# Allegro board FEE5_10_30.brd (continued)
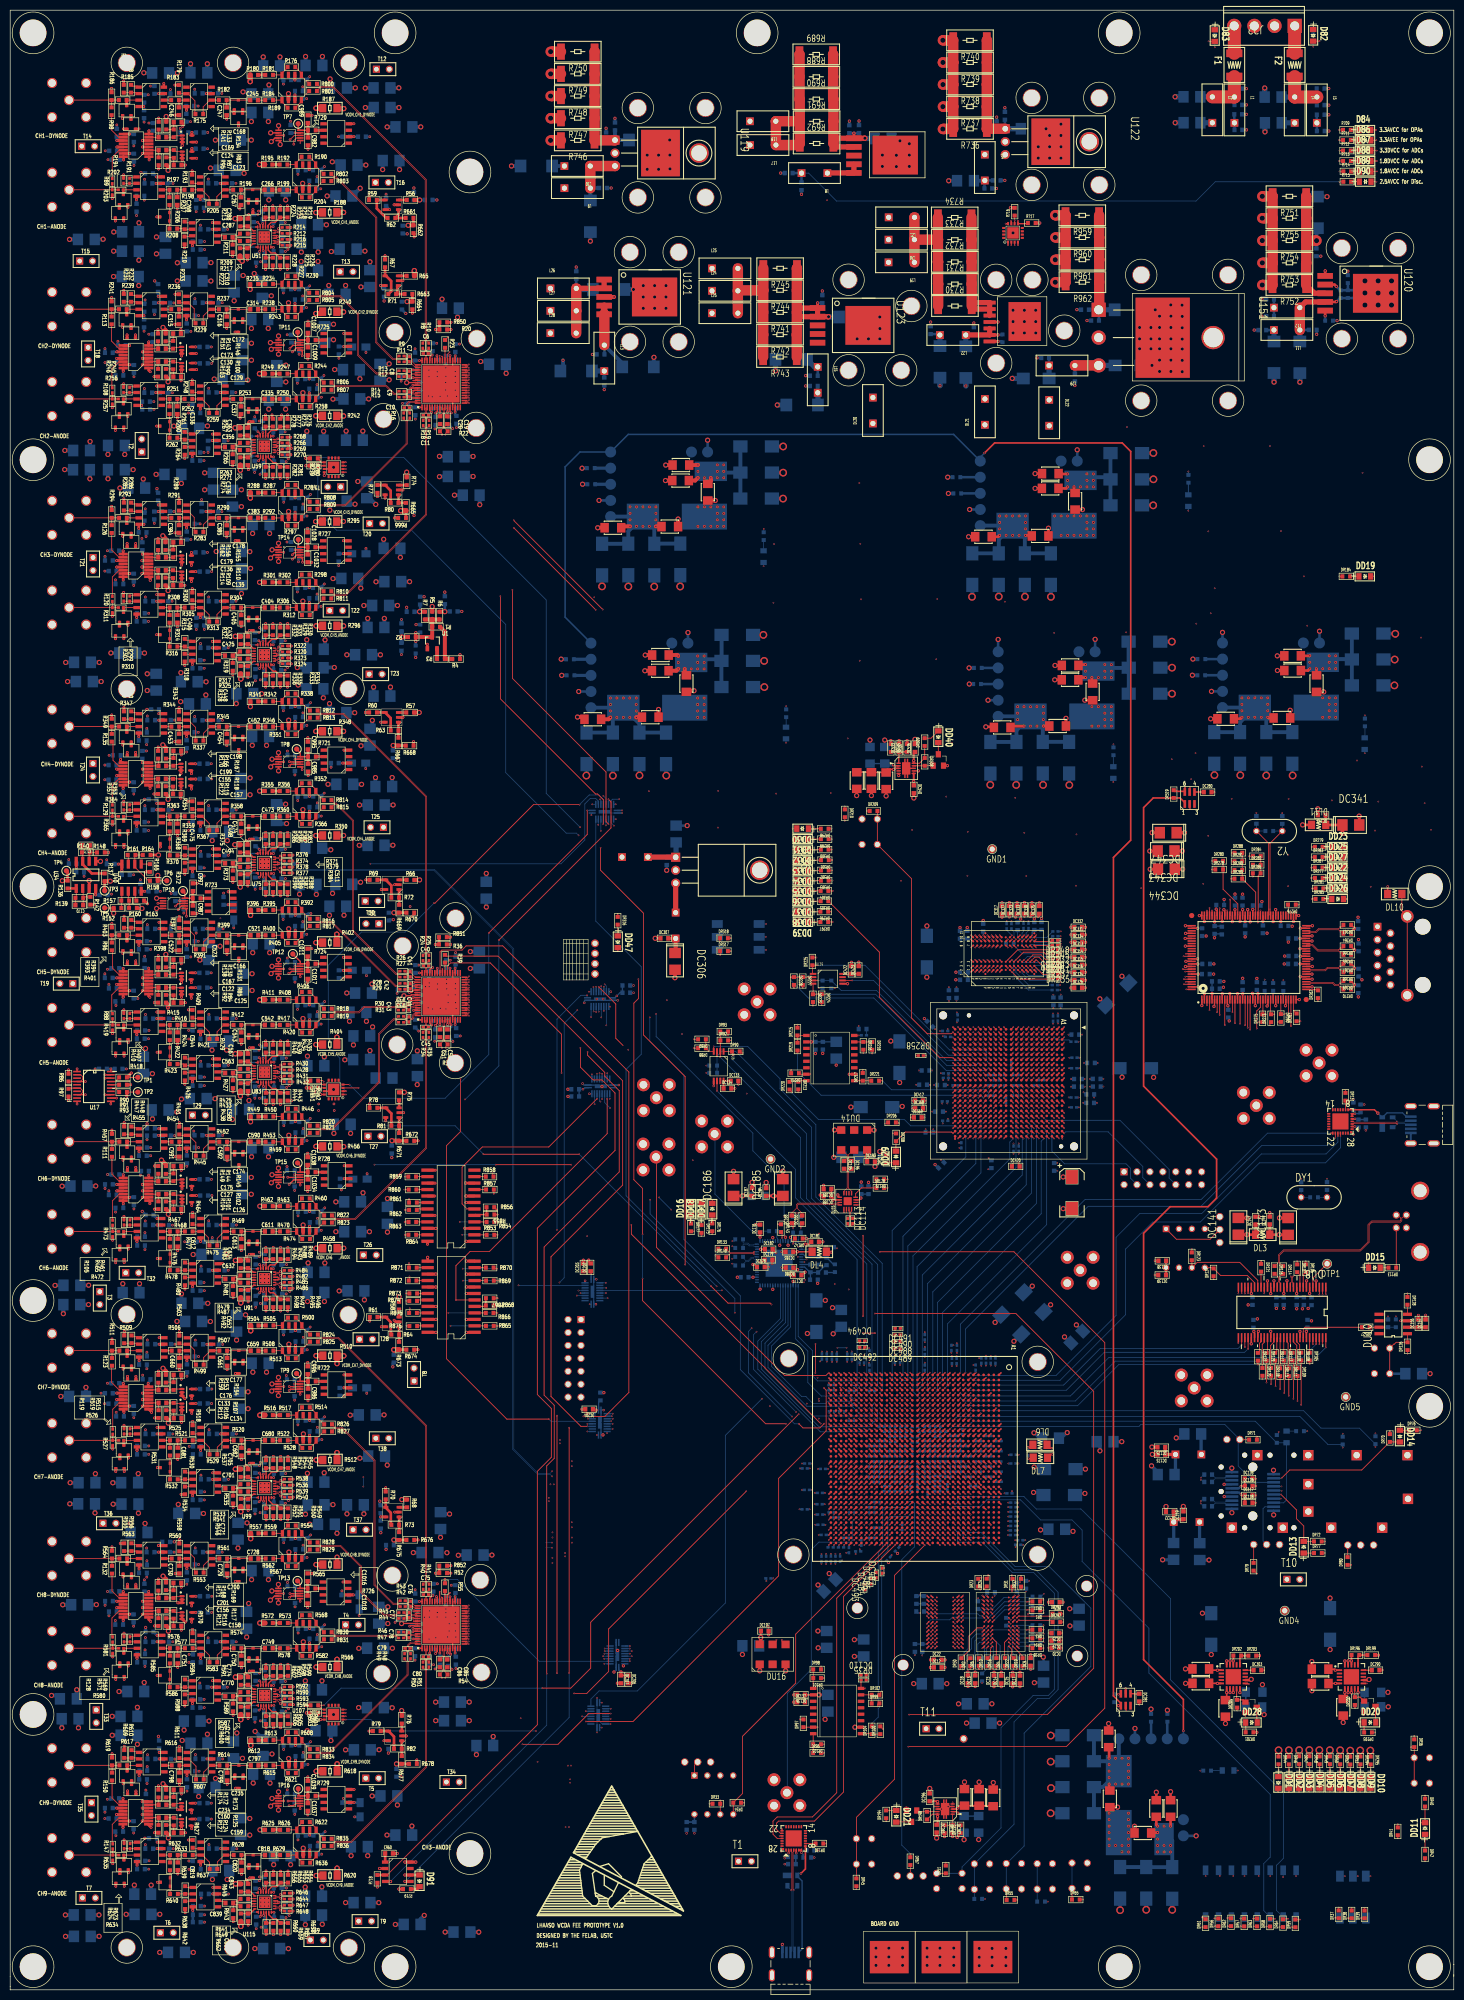
[diagram p0: board, top side]
## Routing (per net, layer and track width the routed paths; a pad name or vN(x,y) marks a point on that pad's centre or on a via; arc(x,y) is an arc through that point) (continued)
A7_DDR3_CS_N1: length 68.8
  TOP w0.152: DU2.H1 v1(190.98,71.07) 189.94,71.07 188.36,69.49 188.36,66.62 DR30.2 ; DU1.H1 v1(180.06,71.07) ; DU4.U29 v1(178.65,92.32)
  S2 w0.152: v1(180.06,71.07) 180.06,71.08 180.45,71.47 182.74,71.47 183.53,70.68 188.92,70.68 189.31,71.07 v1(190.98,71.07)
  S4 w0.152: v1(180.06,71.07) 178.98,69.99 175.05,69.99 172.56,72.48 172.56,76.68 172.41,76.83 170.54,76.83 170.39,76.99 170.39,77.29 170.54,77.44 172.41,77.44 172.56,77.6 172.56,77.9 172.41,78.05 170.54,78.05 170.39,78.21 170.39,78.51 170.54,78.66 172.41,78.66 172.56,78.82 172.56,79.12 172.41,79.27 170.54,79.27 170.39,79.43 170.39,79.73 170.54,79.88 172.41,79.88 172.56,80.03 172.56,80.34 172.41,80.49 170.54,80.49 170.39,80.64 170.39,80.95 170.54,81.1 172.41,81.1 172.56,81.25 172.56,82.5 177.72,87.66 177.72,91.39 v1(178.65,92.32)
A7_DDR3_DM0: length 28.2
  TOP w0.152: DU1.B7 v1(185.61,76.63) ; DU4.K23 v1(185.65,98.32)
  S3 w0.152: v1(185.65,98.32) 186.21,97.76 186.21,84.41 184.65,82.85 184.65,82.24 184.5,82.09 183.94,82.09 183.79,81.93 183.79,81.63 183.94,81.48 184.5,81.48 184.65,81.32 184.65,81.02 184.5,80.87 183.94,80.87 183.79,80.71 183.79,80.41 183.94,80.26 184.5,80.26 184.65,80.1 184.65,79.8 184.5,79.65 183.94,79.65 183.79,79.5 183.79,79.19 183.94,79.04 184.5,79.04 184.65,78.89 184.65,77.59 v1(185.61,76.63)
A7_DDR3_DM1: length 27.1
  TOP w0.152: DU2.B7 v1(196.53,76.63) ; DU4.K32 v1(185.65,89.32)
  S2 w0.152: v1(196.53,76.63) 196.53,77.35 197.23,78.04 197.23,81.63 196.58,82.28 196.58,82.56 196.73,82.71 196.95,82.71 197.1,82.86 197.1,83.17 196.95,83.32 196.73,83.32 196.58,83.47 196.58,83.78 196.73,83.93 196.95,83.93 197.1,84.08 197.1,84.39 196.95,84.54 196.73,84.54 196.58,84.69 196.58,85 196.73,85.15 196.95,85.15 197.1,85.3 197.1,85.67 192.96,89.81 192.32,89.81 192.17,89.96 192.17,90.16 192.02,90.31 191.71,90.31 191.56,90.16 191.56,89.96 191.41,89.81 191.1,89.81 190.95,89.96 190.95,90.16 190.8,90.31 190.49,90.31 190.34,90.16 190.34,89.96 190.19,89.81 186.14,89.81 v1(185.65,89.32)
A7_DDR3_DQ0: length 28.5
  TOP w0.152: DU1.B3 v1(181.66,76.63) ; DU4.L24 v1(184.65,97.32)
  S3 w0.152: v1(184.65,97.32) 184.65,97.22 184.21,96.78 184.21,96.25 183.21,95.24 183.21,86.75 181.28,84.82 181.28,83.73 181.13,83.57 180.61,83.57 180.46,83.42 180.46,83.12 180.61,82.96 181.13,82.96 181.28,82.81 181.28,82.51 181.13,82.35 180.61,82.35 180.46,82.2 180.46,81.9 180.61,81.74 181.13,81.74 181.28,81.59 181.28,81.29 181.13,81.13 180.61,81.13 180.46,80.98 180.46,80.68 180.61,80.52 181.13,80.52 181.28,80.37 181.28,80.07 181.13,79.92 180.61,79.92 180.46,79.76 180.46,79.46 180.61,79.31 181.13,79.31 181.28,79.15 181.28,77.01 v1(181.66,76.63)
A7_DDR3_DQ1: length 28.8
  TOP w0.152: DU1.C7 v1(185.61,75.83) ; DU4.J25 v1(186.65,96.32)
  S3 w0.152: v1(186.65,96.32) 187.19,95.79 187.19,83.66 186,82.48 186,81.76 185.85,81.61 185.26,81.61 185.11,81.46 185.11,81.15 185.26,81 186.74,81 186.89,80.85 186.89,80.54 186.74,80.39 185.26,80.39 185.11,80.24 185.11,79.93 185.26,79.78 186.74,79.78 186.89,79.63 186.89,79.32 186.74,79.17 186.15,79.17 186,79.02 186,76.21 v1(185.61,75.83)
A7_DDR3_DQ2: length 28.1
  TOP w0.152: DU1.C2 v1(180.86,75.83) ; DU4.M25 v1(183.65,96.32)
  S3 w0.152: v1(183.65,96.32) 183.65,96.32 183.1,96.87 182.26,96.87 182.1,96.72 182.1,86.8 179.09,83.79 179.09,83.01 179.25,82.86 179.69,82.86 179.84,82.7 179.84,82.4 179.69,82.25 179.25,82.25 179.09,82.09 179.09,81.79 179.25,81.64 179.69,81.64 179.84,81.48 179.84,81.18 179.69,81.03 179.25,81.03 179.09,80.87 179.09,79.58 180.47,78.2 180.47,76.22 v1(180.86,75.83)
A7_DDR3_DQ3: length 28.1
  TOP w0.152: DU1.C8 v1(186.41,75.83) ; DU4.J24 v1(186.65,97.32)
  S3 w0.152: v1(186.41,75.83) 186.83,76.24 187.47,76.24 188.25,77.02 188.25,80.98 188.1,81.13 187.43,81.13 187.28,81.29 187.28,81.59 187.43,81.74 188.1,81.74 188.25,81.9 188.25,82.2 188.1,82.35 187.43,82.35 187.28,82.51 187.28,82.81 187.43,82.96 188.1,82.96 188.25,83.12 188.25,96.48 187.86,96.87 187.11,96.87 v1(186.65,97.32)
A7_DDR3_DQ4: length 28.5
  TOP w0.152: DU1.E3 v1(181.66,74.23) ; DU4.L25 v1(184.65,96.32)
  S3 w0.152: v1(184.65,96.32) 184.65,96.05 184.17,95.56 184.17,86.5 182.44,84.78 182.44,83.75 182.29,83.6 182.01,83.6 181.86,83.45 181.86,83.14 182.01,82.99 182.29,82.99 182.44,82.84 182.44,82.53 182.29,82.38 182.01,82.38 181.86,82.23 181.86,81.92 182.01,81.77 182.29,81.77 182.44,81.62 182.44,81.31 182.29,81.16 182.01,81.16 181.86,81.01 181.86,80.7 182.01,80.55 182.29,80.55 182.44,80.4 182.44,80.09 182.29,79.94 182.01,79.94 181.86,79.79 181.86,79.48 182.01,79.33 182.29,79.33 182.44,79.18 182.44,78.87 182.29,78.72 182.01,78.72 181.86,78.57 181.86,78.26 182.01,78.11 182.29,78.11 182.44,77.96 182.44,75 v1(181.66,74.23)
A7_DDR3_DQ5: length 28.8
  TOP w0.152: DU4.J23 v1(186.65,98.32) ; DU1.E8 v1(186.41,74.23)
  S3 w0.152: v1(186.65,98.32) 187.1,97.88 188.84,97.88 189.15,97.57 189.15,76.37 187.4,74.62 186.81,74.62 v1(186.41,74.23)
A7_DDR3_DQ6: length 29.2
  TOP w0.152: DU1.D2 v1(180.86,75.03) ; DU4.M24 v1(183.65,97.32)
  S3 w0.152: v1(183.65,97.32) 183.15,97.83 181.44,97.83 181.13,97.52 181.13,87.09 178.27,84.23 178.27,76.91 179.74,75.44 180.45,75.44 v1(180.86,75.03)
A7_DDR3_DQ7: length 28.5
  TOP w0.152: DU1.E7 v1(185.61,74.23) ; DU4.K25 v1(185.65,96.32)
  S3 w0.152: v1(185.65,96.32) 185.18,95.85 185.18,84.95 184.99,84.75 184.77,84.75 184.49,85.04 184.27,85.04 184.05,84.82 184.05,84.61 184.34,84.32 184.34,84.11 184.12,83.89 183.91,83.89 183.62,84.18 183.41,84.18 183.19,83.96 183.19,83.75 183.48,83.46 183.48,83.25 183.13,82.9 183.13,78.37 183.28,78.22 183.43,78.22 183.58,78.07 183.58,77.76 183.43,77.61 183.28,77.61 183.13,77.46 183.13,75.75 184.65,74.23 v1(185.61,74.23)
A7_DDR3_DQ8: length 26.3
  TOP w0.152: DU2.B3 v1(192.58,76.63) ; DU4.H34 v1(187.65,87.32)
  S2 w0.152: v1(192.58,76.63) 192.58,78.18 191.24,79.52 191.24,79.93 191.4,80.08 191.72,80.08 191.88,80.23 191.88,80.54 191.72,80.69 191.4,80.69 191.24,80.84 191.24,81.98 192.86,83.59 192.86,83.81 192.64,84.02 192.42,84.02 191.17,82.77 190.96,82.77 190.74,82.99 190.74,83.2 191.99,84.45 191.99,84.67 191.78,84.89 191.56,84.89 190.31,83.63 190.09,83.63 189.88,83.85 189.88,84.06 191.13,85.32 191.13,85.53 190.91,85.75 190.7,85.75 189.63,84.68 189,84.68 187.65,86.03 v1(187.65,87.32)
A7_DDR3_DQ9: length 26.8
  TOP w0.152: DU2.C7 v1(196.53,75.83) ; DU4.G32 v1(188.65,89.32)
  S2 w0.152: v1(196.53,75.83) 196.13,75.83 195.98,75.98 195.98,76.36 195.83,76.51 195.65,76.51 195.5,76.66 195.5,76.97 195.65,77.12 195.83,77.12 195.98,77.27 195.98,77.57 195.83,77.73 195.65,77.73 195.5,77.88 195.5,78.18 195.65,78.34 195.83,78.34 195.98,78.49 195.98,79 195.49,79.49 195.49,80.05 195.65,80.2 195.99,80.2 196.14,80.35 196.14,80.66 195.99,80.81 195.65,80.81 195.49,80.96 195.49,81.45 195.65,81.6 195.83,81.6 195.98,81.75 195.98,82.05 195.83,82.21 195.65,82.21 195.49,82.36 195.49,82.66 195.65,82.82 195.83,82.82 195.98,82.97 195.98,83.27 195.83,83.43 195.65,83.43 195.49,83.58 195.49,83.88 195.65,84.04 195.83,84.04 195.98,84.19 195.98,85.15 195.44,85.69 195.44,85.91 195.62,86.09 195.62,86.3 195.41,86.52 195.19,86.52 195.01,86.34 194.8,86.34 194.58,86.55 194.58,86.77 194.76,86.95 194.76,87.16 194.55,87.38 194.33,87.38 194.15,87.2 193.94,87.2 191.81,89.32 190.52,89.32 190.37,89.17 190.37,88.59 190.22,88.44 189.91,88.44 189.76,88.59 189.76,89.17 189.61,89.32 v1(188.65,89.32)
A7_DDR3_DQ10: length 26.9
  TOP w0.152: DU2.C2 v1(191.78,75.83) ; DU4.J34 v1(186.65,87.32)
  S2 w0.152: v1(186.65,87.32) 186.65,82.97 188.01,81.62 188.01,81.12 188.16,80.97 189.21,80.97 189.37,80.81 189.37,80.51 189.21,80.36 188.16,80.36 188.01,80.2 188.01,79.9 188.16,79.75 189.21,79.75 189.37,79.59 189.37,79.29 189.21,79.14 188.16,79.14 188.01,78.99 188.01,78.68 188.16,78.53 189.21,78.53 189.37,78.38 189.37,78.07 189.21,77.92 188.1,77.92 187.84,77.66 187.84,77.2 187.99,77.05 188.98,77.05 189.13,76.89 189.13,76.59 188.98,76.44 187.99,76.44 187.84,76.29 187.84,75.8 188.22,75.42 191.38,75.42 v1(191.78,75.83)
A7_DDR3_DQ11: length 27.6
  TOP w0.152: DU4.L32 v1(184.65,89.32) ; DU2.C8 v1(197.33,75.83)
  S2 w0.152: v1(184.65,89.32) 185.14,89.81 185.14,90.67 185.34,90.87 192.65,90.87 197.73,85.8 197.73,76.22 v1(197.33,75.83)
A7_DDR3_DQ12: length 26.7
  TOP w0.152: DU2.E3 v1(192.58,74.23) ; DU4.J33 v1(186.65,88.32)
  S2 w0.152: v1(186.65,88.32) 187.17,87.81 187.17,84.78 187.55,84.39 187.77,84.39 188.1,84.72 188.31,84.72 188.53,84.51 188.53,84.29 187.66,83.42 187.66,83.2 187.87,82.99 188.09,82.99 188.96,83.86 189.17,83.86 189.39,83.64 189.39,83.43 188.52,82.56 188.52,82.34 188.73,82.13 188.95,82.13 189.82,83 190.04,83 190.25,82.78 190.25,82.57 189.38,81.69 189.38,81.48 189.9,80.96 189.9,80.07 190.06,79.92 190.41,79.92 190.56,79.76 190.56,79.46 190.41,79.31 190.06,79.31 189.9,79.15 189.9,78.26 190.18,77.99 191.92,77.99 192.19,77.72 192.19,74.62 v1(192.58,74.23)
A7_DDR3_DQ13: length 26.6
  TOP w0.152: DU2.E8 v1(197.33,74.23) ; DU4.H32 v1(187.65,89.32)
  S2 w0.152: v1(187.65,89.32) 188.14,88.83 188.71,88.83 189.75,87.79 191.41,87.79 191.73,88.11 191.95,88.11 192.16,87.89 192.16,87.68 191.86,87.38 191.86,87.16 192.08,86.95 192.29,86.95 192.59,87.25 192.81,87.25 193.02,87.03 193.02,86.81 192.72,86.52 192.72,86.3 192.94,86.08 193.16,86.08 193.45,86.38 193.67,86.38 193.89,86.17 193.89,85.95 193.59,85.65 193.59,85.44 193.8,85.22 194.02,85.22 194.32,85.52 194.53,85.52 194.75,85.3 194.75,85.09 194.45,84.79 194.45,84.57 194.96,84.07 194.96,75.3 195.64,74.62 196.94,74.62 v1(197.33,74.23)
A7_DDR3_DQ14: length 26.6
  TOP w0.152: DU2.D2 v1(191.78,75.03) ; DU4.K33 v1(185.65,88.32)
  S2 w0.152: v1(185.65,88.32) 186.19,87.79 186.19,81.37 186.34,81.22 187.03,81.22 187.18,81.07 187.18,80.76 187.03,80.61 186.16,80.61 186.01,80.46 186.01,80.15 186.16,80 187.03,80 187.18,79.85 187.18,79.54 187.03,79.39 186.16,79.39 186.01,79.24 186.01,78.93 186.16,78.78 187.03,78.78 187.18,78.63 187.18,78.33 187.03,78.17 186.16,78.17 186.01,78.02 186.01,74.83 186.21,74.64 191.4,74.64 v1(191.78,75.03)
A7_DDR3_DQ15: length 27.2
  TOP w0.152: DU2.E7 v1(196.53,74.23) ; DU4.L33 v1(184.65,88.32)
  S2 w0.152: v1(184.65,88.32) 185.16,87.82 185.16,74.12 185.45,73.84 196.14,73.84 v1(196.53,74.23)
A7_DDR3_DQS_N0: length 28.6
  TOP w0.102: DU1.D3 v1(181.66,75.03) ; DU4.G25 v1(188.65,96.32)
  S2 w0.102: v1(188.65,96.32) 188.26,96.71 184.42,96.71 184.26,96.56 184.26,77.21 182.37,75.32 181.95,75.32 v1(181.66,75.03)
A7_DDR3_DQS_N1: length 27
  TOP w0.102: DU4.G34 v1(188.65,87.32) ; DU2.D3 v1(192.58,75.03)
  S2 w0.102: v1(192.58,75.03) 192.85,75.29 193.34,75.29 194.5,76.45 194.5,78.5 194.27,78.73 193.5,78.73 193.39,78.83 193.39,79.03 193.5,79.13 194.27,79.13 194.5,79.36 194.5,79.74 194.27,79.97 193.5,79.97 193.39,80.07 193.39,80.27 193.5,80.38 194.27,80.38 194.5,80.6 194.5,80.99 194.27,81.21 193.5,81.21 193.39,81.32 193.39,81.52 193.5,81.62 194.27,81.62 194.5,81.85 194.5,82.23 194.27,82.46 193.5,82.46 193.39,82.56 193.39,82.76 193.5,82.87 194.27,82.87 194.5,83.09 194.5,83.66 191.65,86.51 188.64,86.51 188.27,86.88 188.27,87.6 188.32,87.65 188.46,87.65 188.65,87.46 v1(188.65,87.32)
A7_DDR3_DQS_P0: length 28.6
  TOP w0.102: DU4.G24 v1(188.65,97.32) ; DU1.C3 v1(181.66,75.83)
  S2 w0.102: v1(181.66,75.83) 181.95,75.53 182.28,75.53 184.04,77.3 184.04,96.64 184.33,96.93 188.26,96.93 v1(188.65,97.32)
A7_DDR3_DQS_P1: length 27
  TOP w0.102: DU4.H33 v1(187.65,88.32) ; DU2.C3 v1(192.58,75.83)
  S2 w0.102: v1(187.65,88.32) 188.05,87.93 188.05,86.79 188.55,86.29 191.56,86.29 194.28,83.57 194.28,83.18 194.18,83.08 193.41,83.08 193.18,82.85 193.18,82.47 193.41,82.24 194.18,82.24 194.28,82.14 194.28,81.94 194.18,81.84 193.41,81.84 193.18,81.61 193.18,81.23 193.41,81 194.18,81 194.28,80.9 194.28,80.69 194.18,80.59 193.41,80.59 193.18,80.36 193.18,79.98 193.41,79.75 194.18,79.75 194.28,79.65 194.28,79.45 194.18,79.35 193.41,79.35 193.18,79.12 193.18,78.74 193.41,78.51 194.18,78.51 194.28,78.41 194.28,76.54 193.25,75.51 192.9,75.51 v1(192.58,75.83)
A7_DDR3_ODT0: length 71.3
  TOP w0.152: DU4.U32 v1(178.65,89.32) ; DR27.2 200.74,76.21 199.73,76.21 v1(199.73,76.21) ; DU1.G1 v1(180.06,71.87) ; DU2.G1 v1(191.73,72.63)
  S4 w0.152: v1(178.65,89.32) 178.21,88.88 178.21,87.04 174.58,83.41 174.58,82.44 174.43,82.28 173.44,82.28 173.29,82.13 173.29,81.83 173.44,81.67 174.43,81.67 174.58,81.52 174.58,81.22 174.43,81.06 173.44,81.06 173.29,80.91 173.29,80.61 173.44,80.45 174.43,80.45 174.58,80.3 174.58,80 174.43,79.84 173.44,79.84 173.29,79.69 173.29,79.39 173.44,79.24 174.43,79.24 174.58,79.08 174.58,78.78 174.43,78.63 173.44,78.63 173.29,78.47 173.29,78.17 173.44,78.02 174.43,78.02 174.58,77.86 174.58,77.56 174.43,77.41 173.44,77.41 173.29,77.25 173.29,76.95 173.44,76.8 174.43,76.8 174.58,76.64 174.58,76.34 174.43,76.19 173.44,76.19 173.29,76.03 173.29,75.73 173.44,75.58 174.43,75.58 174.58,75.43 174.58,75.12 174.43,74.97 173.44,74.97 173.29,74.82 173.29,74.51 173.44,74.36 174.43,74.36 174.58,74.21 174.58,73.9 174.43,73.75 173.44,73.75 173.29,73.6 173.29,73.29 173.44,73.14 174.43,73.14 174.58,72.99 174.58,72.4 175.11,71.87 175.84,71.87 175.99,71.72 175.99,70.75 176.15,70.6 176.45,70.6 176.6,70.75 176.6,71.72 176.76,71.87 177.06,71.87 177.21,71.72 177.21,70.75 177.37,70.6 177.67,70.6 177.82,70.75 177.82,71.72 177.98,71.87 v1(180.06,71.87)
  BOTTOM w0.152: v1(180.06,71.87) 180.06,71.88 180.83,72.65 184.57,72.65 185.1,73.18 185.97,73.18 186.13,73.02 191.34,73.02 v1(191.73,72.63) 195.32,76.21 199.72,76.21 v1(199.73,76.21)
A7_DDR3_ODT1: length 71.3
  TOP w0.152: DU2.F1 v1(190.98,73.43) ; DU1.F1 v1(180.06,73.43) ; DU4.U31 v1(178.65,90.32)
  S1 w0.152: v1(178.65,90.32) 178.21,89.88 178.21,86.68 177,85.47 177,84.2 176.85,84.05 175.63,84.05 175.48,83.89 175.48,83.59 175.63,83.44 176.85,83.44 177,83.28 177,82.98 176.85,82.83 175.63,82.83 175.48,82.67 175.48,82.37 175.63,82.22 176.85,82.22 177,82.06 177,81.76 176.85,81.61 175.63,81.61 175.48,81.46 175.48,81.15 175.63,81 176.85,81 177,80.85 177,80.54 176.85,80.39 175.63,80.39 175.48,80.24 175.48,79.93 175.63,79.78 176.85,79.78 177,79.63 177,79.32 176.85,79.17 175.63,79.17 175.48,79.02 175.48,78.71 175.63,78.56 176.85,78.56 177,78.41 177,78.1 176.85,77.95 175.63,77.95 175.48,77.8 175.48,77.49 175.63,77.34 176.85,77.34 177,77.19 177,76.88 176.85,76.73 175.63,76.73 175.48,76.58 175.48,76.27 175.63,76.12 176.85,76.12 177,75.97 177,75.66 176.85,75.51 175.63,75.51 175.48,75.36 175.48,75.05 175.63,74.9 176.85,74.9 177,74.75 177,74.44 176.85,74.29 175.63,74.29 175.48,74.14 175.48,73.84 175.63,73.68 176.85,73.68 177,73.53 177,72.61 177.63,71.98 178.62,71.98 v1(180.06,73.43)
  BOTTOM w0.152: v1(180.06,73.43) 180.06,73.47 180.42,73.83 190.07,73.83 190.48,73.43 v1(190.98,73.43) 191.39,73.83 191.39,74.49 191.54,74.64 192.82,74.64 195.21,77.03 200.68,77.03 200.83,77.18 DR28.2
A7_DDR3_RAS_N: length 69.5
  TOP w0.152: DU4.R31 v1(180.65,90.32) ; DU1.F3 v1(181.66,73.43) ; DU2.F3 v1(193.33,73.43)
  S3 w0.152: v1(193.33,73.43) 192.95,73.81 182.06,73.81 181.68,73.43 v1(181.66,73.43)
  S5 w0.152: v1(181.66,73.43) 181.22,72.98 177.29,72.98 176.81,73.46 176.81,74.43 176.66,74.58 176.15,74.58 176,74.74 176,75.04 176.15,75.19 176.66,75.19 176.81,75.35 176.81,75.65 176.66,75.8 176.15,75.8 176,75.95 176,76.26 176.15,76.41 176.66,76.41 176.81,76.56 176.81,76.87 176.66,77.02 176.15,77.02 176,77.17 176,77.48 176.15,77.63 176.66,77.63 176.81,77.78 176.81,78.09 176.66,78.24 176.26,78.24 176.11,78.39 176.11,79.21 176.26,79.36 178.4,79.36 178.55,79.51 178.55,79.82 178.4,79.97 176.26,79.97 176.11,80.12 176.11,80.43 176.26,80.58 178.4,80.58 178.55,80.73 178.55,81.04 178.4,81.19 176.26,81.19 176.11,81.34 176.11,81.65 176.26,81.8 178.4,81.8 178.55,81.95 178.55,82.26 178.4,82.41 176.26,82.41 176.11,82.56 176.11,82.87 176.26,83.02 178.4,83.02 178.55,83.17 178.55,83.48 178.4,83.63 176.26,83.63 176.11,83.78 176.11,84.06 176.99,84.94 178.79,84.94 180.16,86.31 180.16,89.83 v1(180.65,90.32)
  BOTTOM w0.152: DR13.2 200.77,75.43 195.34,75.43 v1(193.33,73.43)
A7_DDR3_RESET_N: length 65.2
  TOP w0.152: DU4.U30 v1(178.65,91.32) ; DU2.N2 v1(191.78,67.07) ; DU1.N2 v1(180.86,67.07)
  S1 w0.152: v1(191.78,67.07) 191.23,66.53 181.37,66.53 180.86,67.03 v1(180.86,67.07)
  S2 w0.152: v1(178.65,91.32) 178.11,90.78 178.11,87.88 173.31,83.08 173.31,82.21 173.16,82.06 172.29,82.06 172.13,81.9 172.13,81.6 172.29,81.45 173.16,81.45 173.31,81.29 173.31,80.99 173.16,80.84 172.29,80.84 172.13,80.68 172.13,80.38 172.29,80.23 173.16,80.23 173.31,80.07 173.31,79.77 173.16,79.62 172.29,79.62 172.13,79.46 172.13,79.16 172.29,79.01 173.16,79.01 173.31,78.85 173.31,78.55 173.16,78.4 172.29,78.4 172.13,78.25 172.13,77.94 172.29,77.79 173.16,77.79 173.31,77.64 173.31,77.33 173.16,77.18 172.29,77.18 172.13,77.03 172.13,76.72 172.29,76.57 173.16,76.57 173.31,76.42 173.31,76.11 173.16,75.96 172.29,75.96 172.13,75.81 172.13,75.5 172.29,75.35 173.16,75.35 173.31,75.2 173.31,74.89 173.16,74.74 172.29,74.74 172.13,74.59 172.13,74.28 172.29,74.13 173.16,74.13 173.31,73.98 173.31,69.93 176.72,66.52 180.31,66.52 v1(180.86,67.07)
  BOTTOM w0.152: DR26.2 191.78,62.97 v1(191.78,67.07)
A7_DDR3_WE_N: length 69.4
  TOP w0.152: DU2.H3 v1(192.58,71.07) ; DU4.P31 v1(181.65,90.32) ; DU1.H3 v1(181.66,71.07)
  S2 w0.152: v1(199.95,73.82) 196.83,73.82 194.08,71.07 v1(192.58,71.07)
  S3 w0.152: v1(181.66,71.07) 182.07,70.66 192.17,70.66 v1(192.58,71.07)
  S5 w0.152: v1(181.65,90.32) 181.65,90.32 181.18,89.84 181.18,85.26 181.33,85.11 182.46,85.11 182.61,84.95 182.61,84.65 182.46,84.5 179.89,84.5 179.74,84.34 179.74,84.04 179.89,83.89 182.46,83.89 182.61,83.73 182.61,83.43 182.46,83.28 179.89,83.28 179.74,83.12 179.74,82.82 179.89,82.67 182.46,82.67 182.61,82.51 182.61,82.21 182.46,82.06 179.89,82.06 179.74,81.9 179.74,81.6 179.89,81.45 182.46,81.45 182.61,81.3 182.61,80.99 182.46,80.84 179.89,80.84 179.74,80.69 179.74,80.38 179.89,80.23 182.46,80.23 182.61,80.08 182.61,79.77 182.46,79.62 179.89,79.62 179.74,79.47 179.74,79.16 179.89,79.01 181.02,79.01 182.34,77.7 182.34,71.75 v1(181.66,71.07)
  BOTTOM w0.152: v1(199.95,73.82) 200.56,73.82 DR12.2
A7_DONE: length 151.8
  TOP w0.152: DR40.2 DD11.2 277.12,32.82 v1(277.11,32.82) ; DU4.P11 v1(181.65,111.19)
  S4 w0.152: v1(277.11,32.82) 274.06,35.87 274.06,45.66 268.49,51.23 261.24,51.23 241.98,70.5 228.72,70.5 222.42,76.81 222.42,93.22 210.03,105.61 181.31,105.61 181.15,105.76 181.15,110.69 v1(181.65,111.19)
A7_EEPROM_IIC_SCL: length 67.9
  TOP w0.152: DU4.AC33 v1(171.79,88.32) ; DR33.2 139.5,36.56 139.5,37.18 v1(139.48,37.2) ; DR33.2 DU3.6 ; DR33.2 139.49,36.53
  S4 w0.152: v1(171.79,88.32) 171.23,87.76 171.23,86.42 154.61,69.8 154.61,60.47 140.77,46.63 140.77,38.49 v1(139.48,37.2)
A7_EEPROM_IIC_SDA: length 65.8
  TOP w0.152: DU3.5 142.04,34.48 DR34.2 143.84,38.54 143.84,49.77 154.31,60.23 154.31,69.84 v1(171.79,87.32) DU4.AC34
A7_EMCCLK: length 0.6
  TOP w0.152: DU4.Y26 v1(174.79,95.32)
A7_FLASH_D0: length 40.6
  TOP w0.152: DR102.2 170.75,58.15 v1(171.2,58.6) ; DU4.V28 v1(176.79,93.32)
  BOTTOM w0.152: v1(171.2,58.6) 171.2,58.6 171.2,85.04 172.42,86.27 172.42,87.15 172.41,87.16 172.41,92.5 172.81,92.91 176.37,92.91 v1(176.79,93.32)
A7_FLASH_D1: length 54.6
  TOP w0.152: v1(159.85,48.2) 159.85,48.21 DR103.1 ; DU4.V29 v1(176.79,92.32)
  S2 w0.152: v1(176.79,92.32) 176.34,91.88 172.43,91.88 172.27,91.72 172.27,86.84 161.45,76.02 161.45,49.8 v1(159.85,48.2)
A7_FLASH_D2: length 50.2
  TOP w0.152: DR104.2 169.29,51.78 169.29,52.32 v1(169.29,52.32) ; DU4.V26 v1(176.79,95.32)
  BOTTOM w0.152: v1(176.79,95.32) 176.17,94.7 171.63,94.7 171.41,94.48 171.41,86.75 170.52,85.86 170.52,56.06 170.78,55.8 170.78,55.49 170.52,55.23 170.52,53.56 v1(169.29,52.32)
A7_FLASH_D3: length 44
  TOP w0.152: DR101.1 159.83,61.22 v1(159.84,61.23) ; DU4.V27 v1(176.79,94.32)
  S2 w0.152: v1(159.84,61.23) 159.84,75.43 171.3,86.89 171.3,93.49 171.63,93.83 176.29,93.83 v1(176.79,94.32)
A7_HARD_RESET: length 86.5
  TOP w0.152: DU8.49 254.02,128.08 254.02,129.12 v1(254.02,129.12) 254.02,129.79 254.34,130.1 DR127.2 ; DU4.H7 v1(187.65,115.19)
  S5 w0.152: v1(254.02,129.12) 252.87,127.98 233.34,127.98 220.12,114.75 188.09,114.75 v1(187.65,115.19)
A7_INIT_B: length 151.7
  TOP w0.152: DU4.V11 v1(176.79,111.19) ; DR41.2 v1(272.57,32.51)
  S4 w0.152: v1(176.79,111.19) 177.21,110.76 177.65,110.76 177.8,110.61 177.8,103.3 178.22,102.88 199.55,102.88 200.29,103.61 204.89,103.61 205.62,102.88 208.15,102.88 220.04,90.99 220.04,73.69 224.77,68.96 241.05,68.96 260.72,49.29 267.9,49.29 272.57,44.62 v1(272.57,32.51)
A7_M0: length 134.3
  TOP w0.152: v1(260.28,14.13) 260.9,14.13 DR37.1 ; DU4.L22 v1(184.65,99.32)
  S4 w0.152: v1(260.28,14.13) 260.29,14.14 260.29,18.31 252.26,26.34 239.18,26.34 236.12,29.4 236.12,48.29 213.58,70.83 213.58,82.82 199.7,96.7 197.26,96.7 196.07,97.89 185.23,97.89 184.7,98.42 184.7,99.27 v1(184.65,99.32) 184.66,99.32
  BOTTOM w0.152: DSW1.3 261.18,14.13 v1(260.28,14.13)
A7_M1: length 135
  TOP w0.152: DU4.K22 v1(185.65,99.32) ; v1(262.79,14.08) 262.83,14.05 DR38.1
  S4 w0.152: v1(185.65,99.32) 186.21,99.88 191.83,99.88 192.38,99.32 201.69,99.32 214.54,86.48 214.54,71.72 238.73,47.53 238.73,33.93 241.3,31.37 250.91,31.37 262.79,19.49 262.79,14.09 v1(262.79,14.08)
  BOTTOM w0.152: v1(262.79,14.08) 263.75,14.08 DSW1.2
A7_M2: length 135.8
  TOP w0.152: DU4.K21 v1(185.65,100.32) ; DR39.1 266.01,14.08 v1(265.35,14.08)
  S4 w0.152: v1(185.65,100.32) 185.65,100.35 186.17,100.87 195.42,100.87 196.27,100.02 204.37,100.02 217.42,86.96 217.42,70.5 247.33,40.6 252.5,40.6 265.35,27.75 v1(265.35,14.08)
  BOTTOM w0.152: v1(265.35,14.08) 266.28,14.08 DSW1.1
A7_PHY_RESET: length 62.7
  TOP w0.152: DU4.R6 v1(180.65,116.19) ; v1(199.06,169.18) DU37.J20
  S4 w0.152: v1(199.06,169.18) 199.53,168.7 199.53,153.07 180.14,133.68 180.14,116.7 v1(180.65,116.19)
A7_PROG_B: length 146.9
  TOP w0.152: DU4.N11 v1(182.65,111.19) ; v1(275.21,47.67) 275.22,47.66 DR36.2 275.82,45.58 DSW2.2 DSW2.1
  S4 w0.152: v1(275.21,47.67) 275.21,61.91 265.1,72.02 230.76,72.02 224.8,77.98 224.8,92.68 210.83,106.65 205.98,106.65 205.32,107.31 199.34,107.31 198.68,106.65 183.4,106.65 183.25,106.81 183.25,110.59 v1(182.65,111.19)
A7_PUDC_B: length 74.1
  TOP w0.152: DU4.W26 v1(175.79,95.32) ; DR67.1 176.87,26.07 v1(176.87,26.68)
  BOTTOM w0.152: v1(176.87,26.68) 175.15,28.4 175.15,84.49 177.62,86.96 177.62,95.55 177.25,95.91 176.37,95.91 175.79,95.34 v1(175.79,95.32)
A7_QSPI_IC_CS_B: length 53.9
  TOP w0.152: DR97.1 155.82,51.57 DU7.7 v1(158.6,51.57) ; DU4.Y27 v1(174.79,94.32)
  S4 w0.152: v1(158.6,51.57) 158.6,54.04 162.99,58.43 162.99,77.11 172.24,86.36 172.24,93.63 172.52,93.91 174.38,93.91 v1(174.79,94.32)
A7_S6_CLK: length 58.4
  TOP w0.152: DU4.W3 v1(175.79,119.19) ; DU37.P20 v1(193.2,169.18)
  S3 w0.152: v1(193.2,169.18) 192.67,168.65 192.67,159.68 176.36,143.37 176.36,119.76 v1(175.79,119.19)
A7_S6_DATA0: length 60.2
  TOP w0.152: DU37.N20 v1(194.2,169.18) ; DU4.V4 v1(176.79,118.19)
  S5 w0.152: v1(194.2,169.18) 194.73,168.64 194.73,155.9 176.36,137.53 176.36,118.61 v1(176.79,118.19)
A7_S6_DATA1: length 63.3
  TOP w0.152: DU4.W4 v1(175.79,118.19) ; DU37.P17 v1(193.2,172.18)
  S5 w0.152: v1(175.79,118.19) 175.31,118.66 175.31,140.91 193.74,159.34 193.74,171.63 v1(193.2,172.18)
A7_S6_DATA2: length 62.2
  TOP w0.152: DU4.W8 v1(175.79,114.19) ; DU37.M22 v1(195.2,167.18)
  S4 w0.152: v1(175.79,114.19) 176.27,114.67 176.27,140.19 195.2,159.11 v1(195.2,167.18)
A7_S6_DATA3: length 63.4
  TOP w0.152: DU37.M20 v1(195.2,169.18) ; DU4.V7 v1(176.79,115.19)
  S5 w0.152: v1(176.79,115.19) 177.46,115.85 177.46,136.38 195.83,154.76 195.83,168.54 v1(195.2,169.18)
A7_S6_DATA4: length 64.4
  TOP w0.152: DU4.V6 v1(176.79,116.19) ; DU37.M18 v1(195.2,171.18)
  S4 w0.152: v1(176.79,116.19) 177.25,116.65 177.25,139.14 195.82,157.71 195.82,170.55 v1(195.2,171.18)
A7_S6_DATA5: length 59.2
  TOP w0.152: DU37.P22 v1(193.2,167.18) ; DU4.Y5 v1(174.79,117.19)
  S5 w0.152: v1(193.2,167.18) 193.2,160.93 174.33,142.07 174.33,117.64 v1(174.79,117.19)
A7_S6_DATA6: length 62.7
  TOP w0.152: DU37.P21 v1(193.2,168.18) ; DU4.Y7 v1(174.79,115.19)
  S4 w0.152: v1(174.79,115.19) 174.32,115.66 174.32,141.98 193.72,161.38 193.72,167.65 v1(193.2,168.18)
A7_S6_DATA7: length 62.4
  TOP w0.152: DU4.W6 v1(175.79,116.19) ; DU37.R19 v1(192.2,170.18)
  S2 w0.152: v1(192.2,170.18) 192.68,169.69 192.68,154.62 176.24,138.18 176.24,116.63 v1(175.79,116.19)
A7_S6_DATA8: length 59
  TOP w0.152: DU37.T22 v1(191.2,167.18) ; DU4.Y6 v1(174.79,116.19)
  S2 w0.152: v1(174.79,116.19) 175.29,116.69 175.29,139.46 191.2,155.37 v1(191.2,167.18)
A7_S6_DATA9: length 54.8
  TOP w0.152: DU37.N22 v1(194.2,167.18) ; DU4.W1 v1(175.79,121.19)
  S5 w0.152: v1(175.79,121.19) 175.79,139.18 194.2,157.58 v1(194.2,167.18)
A7_S6_DATA10: length 60.5
  TOP w0.152: DU4.Y1 v1(174.79,121.19) ; DU37.P18 v1(193.2,171.18)
  S4 w0.152: v1(174.79,121.19) 175.28,121.67 175.28,141.19 194.71,160.62 194.71,170.44 194.4,170.75 193.62,170.75 v1(193.2,171.18)
A7_S6_DATA11: length 58.8
  TOP w0.152: DU4.V2 v1(176.79,120.19) ; DU37.N19 v1(194.2,170.18)
  S2 w0.152: v1(176.79,120.19) 177.39,120.79 177.39,135.68 194.69,152.97 194.69,169.67 194.2,170.16 v1(194.2,170.18)